# Altium PCB amp.PcbDoc (part 4 of 20) (continued)
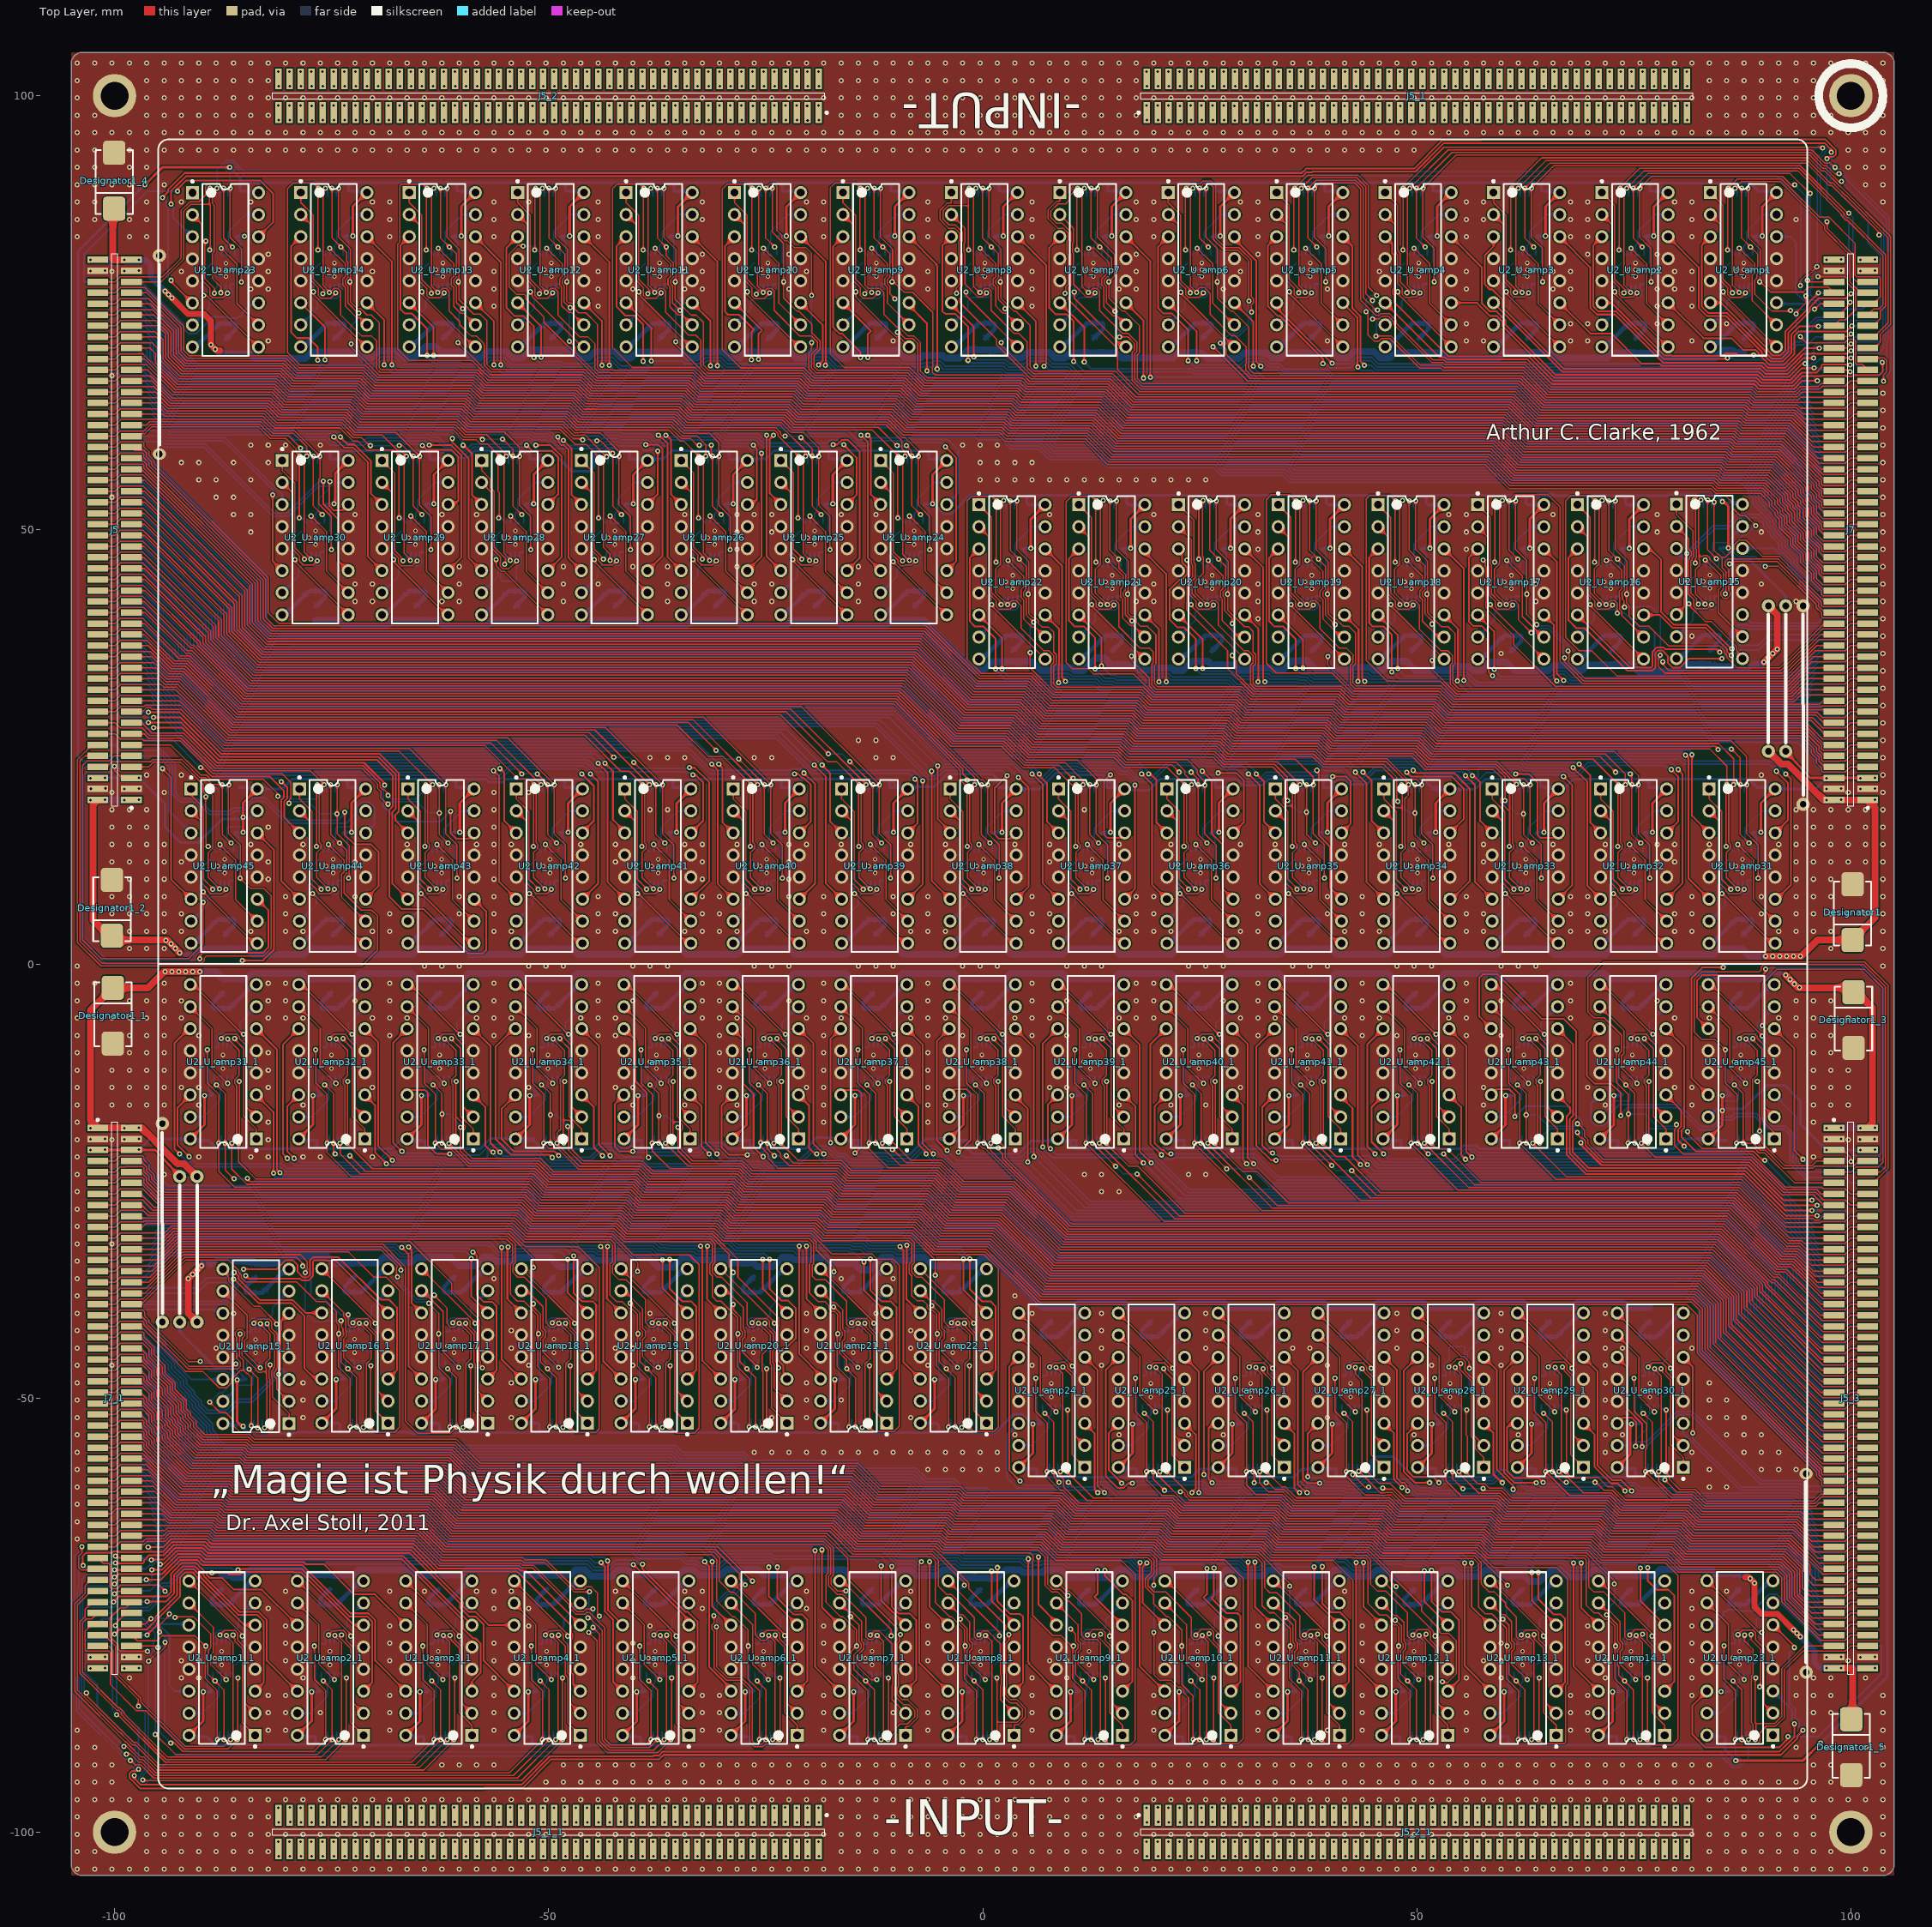
[diagram p0: Top Layer view]
## Nets (pads, with @x,y where several pads share a name; then routed paths per layer and width w, separated by ;. In a path a pad name is that pad's centre, name@x,y a point inside that pad or via, vN(x,y) a via of type N, cw(c..) or ccw(c..) an arc to the next point about the centre after c; other vN are vias at no path point) (continued)
  Bottom Layer w0.3: -104.2,23.9 -104.2,82.1 v1@-96.525,89.775 ; v1(-101.1,-21.4) -101.05,-21.45 J8_1.5@-98.9,-21.45 ; v1(-101.1,21.45) v1(-97.2,21.45) -94.2,18.45 -94.2,15.8 -92.4,14 -90.3,14 -87.6,16.7 -85.2,16.7 -85.2,16.89 v1(-85.21,16.9) ; v1(-97.2,-21.4) -95.963,-20.163 U2_U_amp31_1.16@-91.288,-20.163 -91.129,-20.322 C1_U_amp31_1.2@-89.17,-20.322 ; pad.2@-92.5,-41.25 -92.5,-42.386 -88.386,-46.5 -86.878,-46.5 -85.893,-47.485 v1(-85.893,-47.924) -84.966,-47.924 C2_U_amp15_1.2@-84.864,-47.822 ; U2_U_amp1_1.16@-91.44,-88.85 -91.281,-89.009 C1_U_amp1_1.2@-89.322,-89.009 ; v1(-89.805,-83.841) -88.878,-83.841 C2_U_amp1_1.2@-88.776,-83.739 ; v1(-89.653,-15.153) -88.725,-15.153 C2_U_amp31_1.2@-88.624,-15.052 ; C1_U_amp1_1.2@-89.355,-89.013 -89.355,-89.025 -88.428,-89.952 ; C1_U_amp31_1.2@-89.203,-20.326 -89.203,-20.338 -88.241,-21.3 -76.7,-21.3 -76.713,-21.287 C1_U_amp32_1.2@-76.713,-20.326 ; -88.428,-89.952 -76.987,-89.952 -76.865,-89.83 ; U2_U_amp15_1.16@-87.369,-53.093 U2_U_amp15_1.16@-87.528,-52.934 -87.366,-53.096 C1_U_amp15_1.2@-85.443,-53.096 ; v1(-86.75,91.75) -85.539,90.539 -85.539,89.967 ; C2_U_amp45.2@-86.239,15.052 -86.137,15.153 v1(-85.21,15.153) ; C2_U_amp23.2@-86.085,83.719 -85.984,83.82 v1(-85.057,83.82) ; C1_U_amp45.2@-85.693,20.322 -83.734,20.322 U2_U_amp45.16@-83.575,20.163 -80.637,20.163 -79.5,21.3 -73.2,21.3 ; C1_U_amp15_1.2@-85.24,-53.312 -84.516,-54.036 -79.086,-54.036 -78.999,-53.948 -74.045,-53.948 ; U2_U_amp23.16@-83.421,88.83 -83.58,88.989 -85.539,88.989 -85.539,89.967 ; U2_U_amp2_1.16@-78.95,-88.85 -78.791,-89.009 C1_U_amp2_1.2@-76.832,-89.009 ; U2_U_amp32_1.16@-78.798,-20.163 -78.639,-20.322 C1_U_amp32_1.2@-76.68,-20.322 ; v1(-77.315,-83.841) -76.388,-83.841 C2_U_amp2_1.2@-76.286,-83.739 ; v1(-77.162,-15.153) -76.235,-15.153 C2_U_amp32_1.2@-76.134,-15.052 ; C1_U_amp2_1.2@-76.865,-89.013 -76.865,-89.83 ; -76.7,-21.3 -68.048,-21.3 -67.071,-20.322 U2_U_amp33_1.16@-66.149,-20.322 ; U2_U_amp16_1.16@-75.971,-53.049 U2_U_amp16_1.16@-76.13,-52.89 -74.208,-52.89 C1_U_amp16_1.2@-74.045,-53.053 -74.045,-53.948 ; C2_U_amp30.2@-75.742,52.885 -75.641,52.986 v1(-74.714,52.986) ; v1(-74.495,-47.88) -73.568,-47.88 C2_U_amp16_1.2@-73.466,-47.779 ; -74.261,-54.007 -74.257,-54.002 -74.045,-54.002 -74.045,-53.962 ; C2_U_amp44.2@-73.749,15.052 -73.647,15.153 v1(-72.72,15.153) ; C2_U_amp14.2@-73.596,83.739 -73.495,83.841 v1(-72.568,83.841) ; C1_U_amp44.2@-73.203,20.322 -71.244,20.322 U2_U_amp44.16@-71.085,20.163 ; C1_U_amp44.2@-73.17,20.326 -73.17,21.27 -73.2,21.3 ; -73.147,-53.962 -74.045,-53.962 ; U2_U_amp30.16@-73.078,57.996 -73.237,58.155 -75.196,58.155 -75.196,59.113 -70.807,59.113 -70.784,59.09 -70.287,59.09 -70.265,59.113 -63.706,59.113 ; U2_U_amp14.16@-70.932,88.85 -71.091,89.009 -73.05,89.009 -73.05,89.967 ; U2_U_amp3_1.16@-66.46,-88.85 -66.301,-89.009 C1_U_amp3_1.2@-64.342,-89.009 ; U2_U_amp33_1.16@-66.308,-20.163 U2_U_amp33_1.16@-66.149,-20.322 ; -65.855,-54.09 -63.896,-54.09 ; v1(-64.825,-83.841) -63.897,-83.841 C2_U_amp3_1.2@-63.796,-83.739 ; v1(-64.672,-15.153) -63.745,-15.153 C2_U_amp33_1.2@-63.643,-15.052 ; U2_U_amp17_1.16@-64.481,-53.049 U2_U_amp17_1.16@-64.64,-52.89 -62.718,-52.89 C1_U_amp17_1.2@-62.555,-53.053 -62.555,-53.948 ; C1_U_amp3_1.2@-64.375,-89.013 -64.375,-89.927 ; C2_U_amp29.2@-64.252,52.885 -64.151,52.986 v1(-63.223,52.986) ; C1_U_amp33_1.2@-64.223,-20.326 C1_U_amp33_1.2@-64.223,-20.7 ; C1_U_amp33_1.2@-64.223,-20.322 C1_U_amp33_1.2@-64.19,-20.322 ; v1(-63.005,-47.88) -62.077,-47.88 C2_U_amp17_1.2@-61.976,-47.779 ; -62.771,-54.007 -62.767,-54.002 -62.555,-54.002 -62.555,-53.948 ; -62.463,-53.962 -60.527,-53.962 -60.541,-53.948 -62.555,-53.948 ; U2_U_amp29.16@-61.588,57.996 -61.747,58.155 -63.706,58.155 -63.706,59.113 ; C2_U_amp43.2@-61.259,15.052 -61.157,15.153 v1(-60.23,15.153) ; C2_U_amp13.2@-61.106,83.739 -61.005,83.841 v1(-60.077,83.841) ; C1_U_amp43.2@-60.712,20.322 -58.753,20.322 U2_U_amp43.16@-58.594,20.163 ; C1_U_amp43.2@-60.679,20.326 -60.679,21.279 -60.7,21.3 ; -60.497,-53.992 -59.606,-53.992 -59.577,-53.962 ; -59.562,-53.948 -59.577,-53.962 ; U2_U_amp13.16@-58.442,88.85 -58.601,89.009 -60.56,89.009 -60.56,89.967 ; U2_U_amp4_1.16@-53.97,-88.85 -53.811,-89.009 C1_U_amp4_1.2@-51.852,-89.009 ; U2_U_amp34_1.16@-53.817,-20.163 -53.658,-20.322 C1_U_amp34_1.2@-51.732,-20.322 ; U2_U_amp18_1.16@-52.991,-53.049 U2_U_amp18_1.16@-53.15,-52.89 -51.228,-52.89 C1_U_amp18_1.2@-51.065,-53.053 -51.065,-53.948 ; C2_U_amp28.2@-52.762,52.885 -52.66,52.986 v1(-51.733,52.986) ; v1(-52.334,-83.841) -51.407,-83.841 C2_U_amp4_1.2@-51.306,-83.739 ; -52.216,59.113 -49.686,59.113 -47.342,56.769 -45.187,56.769 -44.771,57.185 -44.771,58.618 -44.419,58.969 -43.65,58.969 -43.193,59.426 -42.373,59.426 -42.059,59.113 -40.693,59.113 C1_U_amp27.2@-40.693,58.159 ; v1(-52.182,-15.153) -51.255,-15.153 C2_U_amp34_1.2@-51.153,-15.052 ; C1_U_amp4_1.2@-51.885,-89.013 -51.885,-89.967 ; C1_U_amp34_1.2@-51.699,-20.322 C1_U_amp34_1.2@-51.732,-20.322 ; v1(-51.514,-47.88) -50.587,-47.88 C2_U_amp18_1.2@-50.486,-47.779 ; -51.281,-54.007 -51.277,-54.002 -51.065,-54.002 -51.065,-53.962 ; U2_U_amp28.16@-50.098,57.996 -50.257,58.155 -52.216,58.155 -52.216,59.084 -52.423,58.877 -52.889,58.877 -53.11,59.098 -58.54,59.098 -59.305,58.333 -60.398,58.333 -61.177,59.113 -63.706,59.113 ; C2_U_amp42.2@-48.768,15.052 -48.667,15.153 v1(-47.74,15.153) ; C2_U_amp12.2@-48.616,83.739 -48.514,83.841 v1(-47.587,83.841) ; C1_U_amp42.2@-48.222,20.322 -46.263,20.322 U2_U_amp42.16@-46.104,20.163 ; C1_U_amp42.2@-48.189,20.326 -48.189,21.289 -48.2,21.3 ; C1_U_amp12.2@-48.07,89.009 -46.111,89.009 U2_U_amp12.16@-45.952,88.85 ; C1_U_amp12.2@-48.037,89.013 -48.037,89.967 ; -47.978,-53.962 -45.978,-53.962 ; U2_U_amp19_1.16@-41.501,-53.049 U2_U_amp19_1.16@-41.66,-52.89 -39.737,-52.89 C1_U_amp19_1.2@-39.575,-53.053 -39.575,-53.948 ; U2_U_amp5_1.16@-41.48,-88.85 -41.321,-89.009 C1_U_amp5_1.2@-39.362,-89.009 ; U2_U_amp35_1.16@-41.327,-20.163 -41.168,-20.322 C1_U_amp35_1.2@-39.209,-20.322 ; C2_U_amp27.2@-41.272,52.885 -41.17,52.986 v1(-40.243,52.986) ; C1_U_amp27.2@-40.726,58.155 -38.767,58.155 U2_U_amp27.16@-38.608,57.996 ; v1(-40.024,-47.88) -39.097,-47.88 C2_U_amp19_1.2@-38.995,-47.779 ; v1(-39.844,-83.841) -38.917,-83.841 C2_U_amp5_1.2@-38.815,-83.739 ; -39.791,-54.007 -39.787,-54.002 -39.575,-54.002 -39.575,-53.962 ; -39.746,58.166 -36.805,58.166 -35.858,59.113 -29.202,59.113 C1_U_amp26.2@-29.202,58.445 ; v1(-39.692,-15.153) -38.765,-15.153 C2_U_amp35_1.2@-38.663,-15.052 ; C1_U_amp5_1.2@-39.395,-89.013 -39.395,-89.967 ; C1_U_amp35_1.2@-39.242,-20.326 -39.242,-21.258 -39.2,-21.3 ; -37.516,-53.992 -36.626,-53.992 -36.596,-53.962 ; -36.582,-53.948 -36.596,-53.962 ; C2_U_amp41.2@-36.278,15.052 -36.177,15.153 v1(-35.249,15.153) ; C2_U_amp11.2@-36.126,83.739 -36.024,83.841 v1(-35.097,83.841) ; C1_U_amp41.2@-35.732,20.322 -33.773,20.322 U2_U_amp41.16@-33.614,20.163 ; C1_U_amp41.2@-35.699,20.326 -35.699,21.299 ; C1_U_amp11.2@-35.58,89.009 -33.621,89.009 U2_U_amp11.16@-33.462,88.85 ; C1_U_amp11.2@-35.547,89.013 -35.547,89.967 ; U2_U_amp20_1.16@-30.01,-53.049 U2_U_amp20_1.16@-30.169,-52.89 -28.247,-52.89 C1_U_amp20_1.2@-28.084,-53.053 -28.084,-53.948 ; C2_U_amp26.2@-29.782,52.885 -29.68,52.986 v1(-28.753,52.986) ; C1_U_amp26.2@-29.235,58.155 -27.276,58.155 U2_U_amp26.16@-27.117,57.996 ; C1_U_amp26.2@-29.202,58.159 -25.001,58.159 -24.297,58.862 -24.297,58.87 -24.055,59.113 -17.712,59.113 ; U2_U_amp6_1.16@-28.989,-88.85 -28.83,-89.009 -26.871,-89.009 -26.871,-89.967 ; U2_U_amp36_1.16@-28.837,-20.163 -28.678,-20.322 C1_U_amp36_1.2@-26.719,-20.322 ; v1(-28.534,-47.88) -27.607,-47.88 C2_U_amp20_1.2@-27.505,-47.779 ; -28.301,-54.007 -28.296,-54.002 -28.084,-54.002 -28.084,-53.948 ; -28.084,-53.962 -36.596,-53.962 ; v1(-27.354,-83.841) -26.427,-83.841 C2_U_amp6_1.2@-26.325,-83.739 ; v1(-27.202,-15.153) -26.274,-15.153 C2_U_amp36_1.2@-26.173,-15.052 ; C1_U_amp36_1.2@-26.752,-20.326 -26.752,-21.252 ; C2_U_amp40.2@-23.788,15.052 -23.686,15.153 v1(-22.759,15.153) ; C2_U_amp10.2@-23.636,83.739 -23.534,83.841 v1(-22.607,83.841) ; C1_U_amp40.2@-23.242,20.322 -21.283,20.322 U2_U_amp40.16@-21.124,20.163 ; C1_U_amp40.2@-23.209,20.326 -23.209,21.209 -23.3,21.3 ; C1_U_amp10.2@-23.089,89.009 -21.13,89.009 U2_U_amp10.16@-20.971,88.85 ; C1_U_amp10.2@-23.056,89.013 -23.056,89.967 ; U2_U_amp21_1.16@-18.52,-53.049 U2_U_amp21_1.16@-18.679,-52.89 -16.757,-52.89 C1_U_amp21_1.2@-16.594,-53.053 -16.594,-53.948 ; C2_U_amp25.2@-18.291,52.885 -18.19,52.986 v1(-17.263,52.986) ; C1_U_amp25.2@-17.745,58.155 -15.786,58.155 U2_U_amp25.16@-15.627,57.996 ; C1_U_amp25.2@-17.712,58.159 -17.712,59.113 ; v1(-17.044,-47.88) -16.117,-47.88 C2_U_amp21_1.2@-16.015,-47.779 ; -16.81,-54.007 -16.806,-54.002 -16.594,-54.002 -16.594,-53.948 ; -16.687,-53.962 -25.077,-53.962 -25.092,-53.948 -25.136,-53.992 -26.026,-53.992 -26.07,-53.948 -28.084,-53.948 ; U2_U_amp7_1.16@-16.499,-88.85 -16.34,-89.009 C1_U_amp7_1.2@-14.381,-89.009 ; U2_U_amp37_1.16@-16.347,-20.163 U2_U_amp37_1.16@-16.21,-20.3 ; v1(-14.864,-83.841) -13.937,-83.841 C2_U_amp7_1.2@-13.835,-83.739 ; v1(-14.711,-15.153) -13.784,-15.153 C2_U_amp37_1.2@-13.683,-15.052 ; -14.63,-53.948 -16.594,-53.948 ; C1_U_amp7_1.2@-14.414,-89.013 -14.414,-89.967 ; -14.3,-21.3 -14.262,-21.262 C1_U_amp37_1.2@-14.262,-20.326 ; C1_U_amp37_1.2@-14.229,-20.322 -15.278,-20.322 ; -13.601,-53.948 -13.616,-53.962 ; C2_U_amp39.2@-11.298,15.052 -11.196,15.153 v1(-10.269,15.153) ; C2_U_amp9.2@-11.145,83.739 -11.044,83.841 v1(-10.117,83.841) ; C1_U_amp39.2@-10.752,20.322 -8.793,20.322 U2_U_amp39.16@-8.634,20.163 ; C1_U_amp39.2@-10.719,20.326 -10.719,21.281 -10.7,21.3 ; C1_U_amp9.2@-10.599,89.009 -8.64,89.009 U2_U_amp9.16@-8.481,88.85 ; C1_U_amp9.2@-10.566,89.013 -10.566,89.967 ; U2_U_amp22_1.16@-7.03,-53.049 U2_U_amp22_1.16@-7.189,-52.89 -5.267,-52.89 C1_U_amp22_1.2@-5.104,-53.053 -5.104,-53.948 ; C2_U_amp24.2@-6.801,52.885 -6.7,52.986 v1(-5.772,52.986) -5.692,52.986 -4.572,51.866 -3.702,51.866 -3.676,51.892 -3.556,51.892 -1.456,53.992 2.155,53.992 ; C1_U_amp24.2@-6.255,58.155 -4.296,58.155 U2_U_amp24.16@-4.137,57.996 ; C1_U_amp24.2@-6.222,58.159 -6.222,59.113 -17.712,59.113 ; v1(-5.554,-47.88) -4.626,-47.88 C2_U_amp22_1.2@-4.525,-47.779 ; -5.32,-54.007 -5.316,-54.002 -5.104,-54.002 -5.104,-53.962 ; U2_U_amp8_1.16@-4.009,-88.85 -3.85,-89.009 -1.891,-89.009 -1.891,-89.967 ; -3.09,-53.948 -5.104,-53.948 ; v1(-2.374,-83.841) -1.446,-83.841 C2_U_amp8_1.2@-1.345,-83.739 ; v1(-2.221,-15.153) -1.294,-15.153 C2_U_amp38_1.2@-1.192,-15.052 ; -2.155,-53.992 1.456,-53.992 3.556,-51.892 3.676,-51.892 3.702,-51.866 4.572,-51.866 5.692,-52.986 v1(5.772,-52.986) 6.7,-52.986 C2_U_amp24_1.2@6.801,-52.885 ; C1_U_amp38_1.2@-1.772,-20.326 -1.772,-21.228 -1.103,-21.897 -1,-21.897 ; C1_U_amp38_1.2@-1.739,-20.322 -3.698,-20.322 U2_U_amp38_1.16@-3.857,-20.163 -6.602,-20.163 -8.438,-22 -10.649,-22 -10.87,-21.778 -13.822,-21.778 -15.278,-20.322 ; -1,-21.858 -1,-21.897 ; 1,21.858 1,21.897 ; C2_U_amp38.2@1.192,15.052 1.294,15.153 v1(2.221,15.153) ; C2_U_amp8.2@1.345,83.739 1.446,83.841 v1(2.374,83.841) ; C1_U_amp38.2@1.739,20.322 3.698,20.322 U2_U_amp38.16@3.857,20.163 6.602,20.163 8.438,22 10.649,22 10.87,21.778 13.822,21.778 15.278,20.322 ; C1_U_amp38.2@1.772,20.326 1.772,21.228 1.103,21.897 1,21.897 ; 3.09,53.948 5.104,53.948 ; U2_U_amp8.16@4.009,88.85 3.85,89.009 1.891,89.009 1.891,89.967 ; U2_U_amp24_1.16@4.137,-57.996 4.296,-58.155 C1_U_amp24_1.2@6.255,-58.155 ; C2_U_amp22.2@4.525,47.779 4.626,47.88 v1(5.554,47.88) ; 5.32,54.007 5.316,54.002 5.104,54.002 5.104,53.962 ; C1_U_amp24_1.2@6.222,-58.159 6.222,-59.113 17.712,-59.113 ; U2_U_amp22.16@7.03,53.049 U2_U_amp22.16@7.189,52.89 5.267,52.89 C1_U_amp22.2@5.104,53.053 5.104,53.948 ; U2_U_amp9_1.16@8.481,-88.85 8.64,-89.009 C1_U_amp9_1.2@10.599,-89.009 ; U2_U_amp39_1.16@8.634,-20.163 8.793,-20.322 C1_U_amp39_1.2@10.752,-20.322 ; v1(10.117,-83.841) 11.044,-83.841 C2_U_amp9_1.2@11.145,-83.739 ; v1(10.269,-15.153) 11.196,-15.153 C2_U_amp39_1.2@11.298,-15.052 ; C1_U_amp9_1.2@10.566,-89.013 10.566,-89.967 ; C1_U_amp39_1.2@10.719,-20.326 10.719,-21.281 10.7,-21.3 ; 13.601,53.948 13.616,53.962 ; C2_U_amp37.2@13.683,15.052 13.784,15.153 v1(14.711,15.153) ; C2_U_amp7.2@13.835,83.739 13.937,83.841 v1(14.864,83.841) ; C1_U_amp37.2@14.229,20.322 15.278,20.322 ; C1_U_amp37.2@14.262,20.326 14.262,21.262 14.3,21.3 ; C1_U_amp7.2@14.381,89.009 16.34,89.009 U2_U_amp7.16@16.499,88.85 ; C1_U_amp7.2@14.414,89.013 14.414,89.967 ; 14.63,53.948 16.594,53.948 ; U2_U_amp25_1.16@15.627,-57.996 15.786,-58.155 C1_U_amp25_1.2@17.745,-58.155 ; C2_U_amp21.2@16.015,47.779 16.117,47.88 v1(17.044,47.88) ; U2_U_amp37.16@16.347,20.163 U2_U_amp37.16@16.21,20.3 ; 16.687,53.962 25.077,53.962 25.092,53.948 25.136,53.992 26.026,53.992 26.07,53.948 28.084,53.948 ; 16.81,54.007 16.806,54.002 16.594,54.002 16.594,53.948 ; v1(17.263,-52.986) 18.19,-52.986 C2_U_amp25_1.2@18.291,-52.885 ; C1_U_amp25_1.2@17.712,-58.159 17.712,-59.113 ; U2_U_amp21.16@18.52,53.049 U2_U_amp21.16@18.679,52.89 16.757,52.89 C1_U_amp21.2@16.594,53.053 16.594,53.948 ; U2_U_amp10_1.16@20.971,-88.85 21.13,-89.009 C1_U_amp10_1.2@23.089,-89.009 ; U2_U_amp40_1.16@21.124,-20.163 21.283,-20.322 C1_U_amp40_1.2@23.242,-20.322 ; v1(22.607,-83.841) 23.534,-83.841 C2_U_amp10_1.2@23.636,-83.739 ; v1(22.759,-15.153) 23.686,-15.153 C2_U_amp40_1.2@23.788,-15.052 ; C1_U_amp10_1.2@23.056,-89.013 23.056,-89.967 ; C1_U_amp40_1.2@23.209,-20.326 23.209,-21.209 23.3,-21.3 ; C2_U_amp36.2@26.173,15.052 26.274,15.153 v1(27.202,15.153) ; C2_U_amp6.2@26.325,83.739 26.427,83.841 v1(27.354,83.841) ; C1_U_amp36.2@26.719,20.322 28.678,20.322 U2_U_amp36.16@28.837,20.163 ; C1_U_amp36.2@26.752,20.326 26.752,21.252 ; U2_U_amp26_1.16@27.117,-57.996 27.276,-58.155 C1_U_amp26_1.2@29.235,-58.155 ; C2_U_amp20.2@27.505,47.779 27.607,47.88 v1(28.534,47.88) ; 28.084,53.962 36.596,53.962 ; 28.301,54.007 28.296,54.002 28.084,54.002 28.084,53.948 ; v1(28.753,-52.986) 29.68,-52.986 C2_U_amp26_1.2@29.782,-52.885 ; U2_U_amp6.16@28.989,88.85 28.83,89.009 26.871,89.009 26.871,89.967 ; C1_U_amp26_1.2@29.202,-58.445 29.202,-59.113 35.858,-59.113 36.805,-58.166 39.746,-58.166 ; C1_U_amp26_1.2@29.202,-58.159 25.001,-58.159 24.297,-58.862 24.297,-58.87 24.055,-59.113 17.712,-59.113 ; U2_U_amp20.16@30.01,53.049 U2_U_amp20.16@30.169,52.89 28.247,52.89 C1_U_amp20.2@28.084,53.053 28.084,53.948 ; U2_U_amp11_1.16@33.462,-88.85 33.621,-89.009 C1_U_amp11_1.2@35.58,-89.009 ; U2_U_amp41_1.16@33.614,-20.163 33.773,-20.322 C1_U_amp41_1.2@35.732,-20.322 ; v1(35.097,-83.841) 36.024,-83.841 C2_U_amp11_1.2@36.126,-83.739 ; v1(35.249,-15.153) 36.177,-15.153 C2_U_amp41_1.2@36.278,-15.052 ; C1_U_amp11_1.2@35.547,-89.013 35.547,-89.967 ; C1_U_amp41_1.2@35.699,-20.326 35.699,-21.299 ; 36.582,53.948 36.596,53.962 ; 37.516,53.992 36.626,53.992 36.596,53.962 ; U2_U_amp27_1.16@38.608,-57.996 38.767,-58.155 C1_U_amp27_1.2@40.726,-58.155 ; C2_U_amp35.2@38.663,15.052 38.765,15.153 v1(39.692,15.153) ; C2_U_amp5.2@38.815,83.739 38.917,83.841 v1(39.844,83.841) ; C2_U_amp19.2@38.995,47.779 39.097,47.88 v1(40.024,47.88) ; C1_U_amp35.2@39.209,20.322 41.168,20.322 U2_U_amp35.16@41.327,20.163 ; C1_U_amp35.2@39.242,20.326 39.242,21.258 39.2,21.3 ; C1_U_amp5.2@39.362,89.009 41.321,89.009 U2_U_amp5.16@41.48,88.85 ; C1_U_amp5.2@39.395,89.013 39.395,89.967 ; 39.791,54.007 39.787,54.002 39.575,54.002 39.575,53.962 ; v1(40.243,-52.986) 41.17,-52.986 C2_U_amp27_1.2@41.272,-52.885 ; C1_U_amp27_1.2@40.693,-58.159 40.693,-59.113 42.059,-59.113 42.373,-59.426 43.193,-59.426 43.65,-58.969 44.419,-58.969 44.771,-58.618 44.771,-57.185 45.187,-56.769 47.342,-56.769 49.686,-59.113 52.216,-59.113 ; U2_U_amp19.16@41.501,53.049 U2_U_amp19.16@41.66,52.89 39.737,52.89 C1_U_amp19.2@39.575,53.053 39.575,53.948 ; U2_U_amp12_1.16@45.952,-88.85 46.111,-89.009 C1_U_amp12_1.2@48.07,-89.009 ; U2_U_amp42_1.16@46.104,-20.163 46.263,-20.322 C1_U_amp42_1.2@48.222,-20.322 ; v1(47.587,-83.841) 48.514,-83.841 C2_U_amp12_1.2@48.616,-83.739 ; v1(47.74,-15.153) 48.667,-15.153 C2_U_amp42_1.2@48.768,-15.052 ; 47.978,53.962 45.978,53.962 ; C1_U_amp12_1.2@48.037,-89.013 48.037,-89.967 ; C1_U_amp42_1.2@48.189,-20.326 48.189,-21.289 48.2,-21.3 ; U2_U_amp28_1.16@50.098,-57.996 50.257,-58.155 52.216,-58.155 52.216,-59.084 52.423,-58.877 52.889,-58.877 53.11,-59.098 58.54,-59.098 59.305,-58.333 60.398,-58.333 61.177,-59.113 63.706,-59.113 ; C2_U_amp18.2@50.486,47.779 50.587,47.88 v1(51.514,47.88) ; C2_U_amp34.2@51.153,15.052 51.255,15.153 v1(52.182,15.153) ; 51.281,54.007 51.277,54.002 51.065,54.002 51.065,53.962 ; C2_U_amp4.2@51.306,83.739 51.407,83.841 v1(52.334,83.841) ; C1_U_amp34.2@51.699,20.322 C1_U_amp34.2@51.732,20.322 ; v1(51.733,-52.986) 52.66,-52.986 C2_U_amp28_1.2@52.762,-52.885 ; C1_U_amp4.2@51.852,89.009 53.811,89.009 U2_U_amp4.16@53.97,88.85 ; C1_U_amp4.2@51.885,89.013 51.885,89.967 ; U2_U_amp18.16@52.991,53.049 U2_U_amp18.16@53.15,52.89 51.228,52.89 C1_U_amp18.2@51.065,53.053 51.065,53.948 ; U2_U_amp34.16@53.817,20.163 53.658,20.322 C1_U_amp34.2@51.732,20.322 ; U2_U_amp13_1.16@58.442,-88.85 58.601,-89.009 60.56,-89.009 60.56,-89.967 ; U2_U_amp43_1.16@58.594,-20.163 58.753,-20.322 C1_U_amp43_1.2@60.712,-20.322 ; 59.562,53.948 59.577,53.962 ; v1(60.077,-83.841) 61.005,-83.841 C2_U_amp13_1.2@61.106,-83.739 ; v1(60.23,-15.153) 61.157,-15.153 C2_U_amp43_1.2@61.259,-15.052 ; 60.497,53.992 59.606,53.992 59.577,53.962 ; C1_U_amp43_1.2@60.679,-20.326 60.679,-21.279 60.7,-21.3 ; U2_U_amp29_1.16@61.588,-57.996 61.747,-58.155 63.706,-58.155 63.706,-59.113 ; C2_U_amp17.2@61.976,47.779 62.077,47.88 v1(63.005,47.88) ; 62.463,53.962 60.527,53.962 60.541,53.948 62.555,53.948 ; 62.771,54.007 62.767,54.002 62.555,54.002 62.555,53.948 ; v1(63.223,-52.986) 64.151,-52.986 C2_U_amp29_1.2@64.252,-52.885 ; C2_U_amp33.2@63.643,15.052 63.745,15.153 v1(64.672,15.153) ; C2_U_amp3.2@63.796,83.739 63.897,83.841 v1(64.825,83.841) ; 63.896,54.09 65.855,54.09 ; C1_U_amp33.2@64.19,20.322 C1_U_amp33.2@64.223,20.322 ; C1_U_amp33.2@64.223,20.326 C1_U_amp33.2@64.223,20.7 ; C1_U_amp3.2@64.342,89.009 66.301,89.009 U2_U_amp3.16@66.46,88.85 ; C1_U_amp3.2@64.375,89.013 64.375,89.927 ; U2_U_amp17.16@64.481,53.049 U2_U_amp17.16@64.64,52.89 62.718,52.89 C1_U_amp17.2@62.555,53.053 62.555,53.948 ; U2_U_amp33.16@66.308,20.163 U2_U_amp33.16@66.149,20.322 ; U2_U_amp14_1.16@70.932,-88.85 71.091,-89.009 73.05,-89.009 73.05,-89.967 ; U2_U_amp44_1.16@71.085,-20.163 71.244,-20.322 C1_U_amp44_1.2@73.203,-20.322 ; v1(72.568,-83.841) 73.495,-83.841 C2_U_amp14_1.2@73.596,-83.739 ; v1(72.72,-15.153) 73.647,-15.153 C2_U_amp44_1.2@73.749,-15.052 ; U2_U_amp30_1.16@73.078,-57.996 73.237,-58.155 75.196,-58.155 75.196,-59.113 70.807,-59.113 70.784,-59.09 70.287,-59.09 70.265,-59.113 63.706,-59.113 ; 73.147,53.962 74.045,53.962 ; C1_U_amp44_1.2@73.17,-20.326 73.17,-21.27 73.2,-21.3 ; C2_U_amp16.2@73.466,47.779 73.568,47.88 v1(74.495,47.88) ; 74.261,54.007 74.257,54.002 74.045,54.002 74.045,53.962 ; v1(74.714,-52.986) 75.641,-52.986 C2_U_amp30_1.2@75.742,-52.885 ; U2_U_amp16.16@75.971,53.049 U2_U_amp16.16@76.13,52.89 74.208,52.89 C1_U_amp16.2@74.045,53.053 74.045,53.948 ; C2_U_amp32.2@76.134,15.052 76.235,15.153 v1(77.162,15.153) ; C2_U_amp2.2@76.286,83.739 76.388,83.841 v1(77.315,83.841) ; C1_U_amp32.2@76.68,20.322 78.639,20.322 U2_U_amp32.16@78.798,20.163 ; C1_U_amp32.2@76.713,20.326 76.713,21.287 76.7,21.3 ; C1_U_amp2.2@76.832,89.009 78.791,89.009 U2_U_amp2.16@78.95,88.85 ; C1_U_amp2.2@76.865,89.013 76.865,89.83 ; U2_U_amp23_1.16@83.421,-88.83 83.58,-88.989 85.539,-88.989 85.539,-89.967 ; C2_U_amp15.2@84.864,47.822 84.966,47.924 v1(85.893,47.924) 85.893,47.485 86.878,46.5 88.386,46.5 92.5,42.386 pad.2@92.5,41.25 ; v1(85.057,-83.82) 85.984,-83.82 C2_U_amp23_1.2@86.085,-83.719 ; v1(85.21,-16.9) 85.2,-16.89 85.2,-16.7 87.6,-16.7 90.3,-14 92.4,-14 94.2,-15.8 94.2,-18.45 v1(97.2,-21.45) v1(101.1,-21.45) ; v1(85.21,-15.153) 86.137,-15.153 C2_U_amp45_1.2@86.239,-15.052 ; C1_U_amp15.2@85.24,53.312 84.516,54.036 79.086,54.036 78.999,53.948 74.045,53.948 ; C1_U_amp15.2@85.443,53.096 87.366,53.096 U2_U_amp15.16@87.528,52.934 U2_U_amp15.16@87.369,53.093 ; C1_U_amp45_1.2@85.693,-20.322 83.734,-20.322 U2_U_amp45_1.16@83.575,-20.163 80.637,-20.163 79.5,-21.3 73.2,-21.3 ; v1(86.75,-91.75) 85.539,-90.539 85.539,-89.967 ; C2_U_amp31.2@88.624,15.052 88.725,15.153 v1(89.653,15.153) ; C2_U_amp1.2@88.776,83.739 88.878,83.841 v1(89.805,83.841) ; C1_U_amp31.2@89.17,20.322 91.129,20.322 U2_U_amp31.16@91.288,20.163 95.963,20.163 v1(97.2,21.4) ; C1_U_amp31.2@89.203,20.326 89.203,20.338 88.241,21.3 76.7,21.3 ; C1_U_amp1.2@89.322,89.009 91.281,89.009 U2_U_amp1.16@91.44,88.85 ; C1_U_amp1.2@89.355,89.013 89.355,89.025 88.428,89.952 76.987,89.952 76.865,89.83 ; v1@96.525,-89.775 104.2,-82.1 104.2,-23.9 ; J8.5@98.9,21.45 101.05,21.45 v1(101.1,21.4) ; -85.539,89.967 -73.05,89.967 ; -76.865,-89.83 -76.729,-89.967 -64.414,-89.967 -64.375,-89.927 ; -74.045,-53.962 -74.045,-53.948 ; -74.045,-53.948 -72.031,-53.948 -71.987,-53.992 -71.097,-53.992 -71.052,-53.948 -62.555,-53.948 ; -73.2,21.3 -60.7,21.3 ; -73.05,89.967 -60.56,89.967 ; U2_U_amp33_1.16@-66.149,-20.322 -64.6,-20.322 C1_U_amp33_1.2@-64.223,-20.7 ; -64.375,-89.927 -64.375,-89.967 -51.885,-89.967 ; C1_U_amp33_1.2@-64.223,-20.7 -64.223,-20.92 -63.91,-21.232 -63.328,-21.232 -63.295,-21.265 -62.798,-21.265 -62.765,-21.232 -62.566,-21.232 -62.533,-21.265 -62.036,-21.265 -62.003,-21.232 -61.816,-21.232 -61.748,-21.3 -61.251,-21.3 -61.184,-21.232 -61.016,-21.232 -60.984,-21.265 -57.865,-21.265 -56.7,-20.1 -51.732,-20.1 C1_U_amp34_1.2@-51.732,-20.322 ; -60.7,21.3 -57.238,21.3 -56.888,20.95 -55.312,20.95 -54.962,21.3 -48.2,21.3 ; -60.56,89.967 -48.037,89.967 ; -59.577,-53.962 -51.065,-53.962 ; -51.885,-89.967 -39.395,-89.967 ; C1_U_amp34_1.2@-51.732,-20.322 C1_U_amp34_1.2@-51.732,-20.326 -51.732,-20.338 -50.77,-21.3 -44.838,-21.3 -44.238,-20.7 -42.3,-20.7 -41.7,-21.3 -40.848,-21.3 -40.548,-21 -40.051,-21 -39.751,-21.3 -39.2,-21.3 ; -51.065,-53.962 -51.065,-53.948 ; -51.065,-53.948 -49.051,-53.948 -49.007,-53.992 -46.008,-53.992 -45.978,-53.962 ; -48.2,21.3 -44.951,21.3 -35.7,21.3 -35.699,21.299 ; -48.037,89.967 -35.547,89.967 ; -45.978,-53.962 -39.575,-53.962 ; -39.575,-53.962 -39.575,-53.948 ; -39.575,-53.962 -37.546,-53.962 -37.561,-53.948 -39.575,-53.948 ; -39.395,-89.967 -26.871,-89.967 ; -39.2,-21.3 -32.92,-21.3 -32.22,-20.6 -30,-20.6 -29.3,-21.3 -27.849,-21.3 -26.8,-21.3 -26.752,-21.252 ; -35.699,21.299 -35.6,21.2 -33.151,21.2 -33.051,21.3 -23.3,21.3 ; -35.547,89.967 -23.056,89.967 ; -26.871,-89.967 -14.414,-89.967 ; -26.752,-21.252 -26.75,-21.25 -24.907,-21.25 -24.857,-21.3 -20.43,-21.3 -19.132,-20.003 -17.298,-20.003 -17.001,-20.3 U2_U_amp37_1.16@-16.21,-20.3 ; -23.3,21.3 -10.7,21.3 ; -23.056,89.967 -10.566,89.967 ; -16.594,-53.948 -14.58,-53.948 -14.566,-53.962 -14.173,-53.962 -14.143,-53.992 -13.646,-53.992 -13.616,-53.962 ; U2_U_amp37_1.16@-16.21,-20.3 -16.188,-20.322 -15.278,-20.322 ; U2_U_amp37_1.16@-16.21,-20.3 -15.3,-20.3 -15.278,-20.322 ; -14.414,-89.967 -1.891,-89.967 ; -13.616,-53.962 -5.104,-53.962 ; -10.7,21.3 -9.8,20.4 -5.6,20.4 -4.103,21.897 1,21.897 ; -10.566,89.967 1.891,89.967 ; -5.104,-53.962 -5.104,-53.948 ; -1.891,-89.967 10.566,-89.967 ; -1,-21.897 4.103,-21.897 5.6,-20.4 9.8,-20.4 10.7,-21.3 ; 1.891,89.967 14.414,89.967 ; 5.104,53.948 5.104,53.962 ; 5.104,53.962 13.616,53.962 ; 10.566,-89.967 23.056,-89.967 ; 10.7,-21.3 23.3,-21.3 ; 13.616,53.962 13.646,53.992 14.143,53.992 14.173,53.962 14.566,53.962 14.58,53.948 16.594,53.948 ; 14.414,89.967 26.871,89.967 ; 15.278,20.322 15.3,20.3 U2_U_amp37.16@16.21,20.3 ; 15.278,20.322 16.188,20.322 U2_U_amp37.16@16.21,20.3 ; U2_U_amp37.16@16.21,20.3 17.001,20.3 17.298,20.003 19.132,20.003 20.43,21.3 24.857,21.3 24.907,21.25 26.75,21.25 26.752,21.252 ; 23.056,-89.967 35.547,-89.967 ; 23.3,-21.3 33.051,-21.3 33.151,-21.2 35.6,-21.2 35.699,-21.299 ; 26.752,21.252 26.8,21.3 27.848,21.3 29.3,21.3 30,20.6 32.22,20.6 32.92,21.3 39.2,21.3 ; 26.871,89.967 39.395,89.967 ; 35.547,-89.967 48.037,-89.967 ; 35.699,-21.299 35.7,-21.3 ; 35.7,-21.3 44.951,-21.3 48.2,-21.3 ; 39.2,21.3 39.751,21.3 40.051,21 40.548,21 40.848,21.3 41.7,21.3 42.3,20.7 44.238,20.7 44.838,21.3 50.77,21.3 51.732,20.338 C1_U_amp34.2@51.732,20.326 C1_U_amp34.2@51.732,20.322 ; 39.395,89.967 51.885,89.967 ; 39.575,53.948 37.561,53.948 37.546,53.962 39.575,53.962 ; 39.575,53.948 39.575,53.962 ; 39.575,53.962 45.978,53.962 ; 45.978,53.962 46.008,53.992 49.007,53.992 49.051,53.948 51.065,53.948 ; 48.037,-89.967 60.56,-89.967 ; 48.2,-21.3 54.962,-21.3 55.312,-20.95 56.888,-20.95 57.238,-21.3 60.7,-21.3 ; 51.065,53.948 51.065,53.962 ; 51.065,53.962 59.577,53.962 ; C1_U_amp34.2@51.732,20.322 51.732,20.1 56.7,20.1 57.865,21.265 60.984,21.265 61.016,21.232 61.184,21.232 61.251,21.3 61.748,21.3 61.816,21.232 62.003,21.232 62.036,21.265 62.533,21.265 62.566,21.232 62.765,21.232 62.798,21.265 63.295,21.265 63.328,21.232 63.91,21.232 64.223,20.92 C1_U_amp33.2@64.223,20.7 ; 51.885,89.967 64.375,89.967 64.375,89.927 ; 60.56,-89.967 73.05,-89.967 ; 60.7,-21.3 73.2,-21.3 ; 62.555,53.948 71.052,53.948 71.097,53.992 71.987,53.992 72.031,53.948 74.045,53.948 ; C1_U_amp33.2@64.223,20.7 64.6,20.322 U2_U_amp33.16@66.149,20.322 ; 64.375,89.927 64.414,89.967 76.729,89.967 76.865,89.83 ; U2_U_amp33.16@66.149,20.322 67.071,20.322 68.048,21.3 76.7,21.3 ; 73.05,-89.967 85.539,-89.967 ; 74.045,53.948 74.045,53.962
  other v1: -102.8,-21.45 102.8,-21.4 -102.8,21.4 102.8,21.45
EN1I_U_amp1: U1_U_amp1.6 U1_U_amp1_1.6 U2_U_amp1.1 U2_U_amp1_1.1 | length 27.7
  Top Layer w0.15: v1(-86.36,-77.292) -86.486,-77.418 -86.181,-77.723 -86.181,-77.951 -85.267,-78.866 -85.267,-87.404 U2_U_amp1_1.1@-83.82,-88.85 ; U2_U_amp1.1@83.82,88.85 85.267,87.404 85.267,78.866 86.181,77.951 86.181,77.723 86.486,77.418 v1(86.36,77.292)
  Bottom Layer w0.15: U1_U_amp1_1.6@-86.687,-78.305 -86.687,-77.655 -86.36,-77.328 v1(-86.36,-77.292) ; v1(86.36,77.292) 86.36,77.328 86.687,77.655 U1_U_amp1.6@86.687,78.305
EN1I_U_amp2: U1_U_amp2.6 U1_U_amp2_1.6 U2_U_amp2.1 U2_U_amp2_1.1 | length 27.8
  Top Layer w0.15: v1(-73.863,-77.292) -74.03,-77.459 -74.03,-77.612 -72.777,-78.866 -72.777,-87.404 U2_U_amp2_1.1@-71.33,-88.85 ; U2_U_amp2.1@71.33,88.85 72.777,87.404 72.777,78.866 74.03,77.612 74.03,77.459 v1(73.863,77.292)
  Bottom Layer w0.15: U1_U_amp2_1.6@-74.197,-78.305 -74.197,-77.655 -73.863,-77.321 v1(-73.863,-77.292) ; v1(73.863,77.292) 73.863,77.321 74.197,77.655 U1_U_amp2.6@74.197,78.305
EN1I_U_amp3: U1_U_amp3.6 U1_U_amp3_1.6 U2_U_amp3.1 U2_U_amp3_1.1 | length 27.3
  Top Layer w0.15: v1(-61.366,-77.343) -61.366,-77.721 -60.286,-78.801 -60.286,-86.243 -58.84,-87.689 U2_U_amp3_1.1@-58.84,-88.85 ; U2_U_amp3.1@58.84,88.85 58.84,87.689 60.286,86.243 60.286,78.801 61.366,77.721 v1(61.366,77.343)
  Bottom Layer w0.15: U1_U_amp3_1.6@-61.707,-78.305 -61.707,-77.684 v1(-61.366,-77.343) ; v1(61.366,77.343) 61.707,77.684 U1_U_amp3.6@61.707,78.305
EN1I_U_amp4: U1_U_amp4.6 U1_U_amp4_1.6 U2_U_amp4.1 U2_U_amp4_1.1 | length 27.9
  Top Layer w0.15: v1(-48.87,-77.318) -48.93,-77.318 -49.117,-77.504 -49.117,-77.545 -48.082,-78.58 -48.082,-81.686 -48.072,-81.697 -48.072,-81.843 -47.887,-82.028 -47.887,-82.129 -47.796,-82.22 -47.796,-82.458 -47.796,-87.404 U2_U_amp4_1.1@-46.35,-88.85 ; U2_U_amp4.1@46.35,88.85 47.796,87.404 47.796,82.458 47.796,82.22 47.887,82.129 47.887,82.028 48.072,81.843 48.072,81.697 48.082,81.686 48.082,78.58 49.117,77.545 49.117,77.504 48.93,77.318 v1(48.87,77.318)
  Bottom Layer w0.15: U1_U_amp4_1.6@-49.217,-78.305 -49.217,-77.665 v1(-48.87,-77.318) ; v1(48.87,77.318) 49.217,77.665 U1_U_amp4.6@49.217,78.305
EN1I_U_amp5: U1_U_amp5.6 U1_U_amp5_1.6 U2_U_amp5.1 U2_U_amp5_1.1 | length 27.8
  Top Layer w0.15: v1(-36.398,-77.318) -36.424,-77.318 -36.627,-77.52 -36.627,-77.545 -35.306,-78.866 -35.306,-87.404 U2_U_amp5_1.1@-33.86,-88.85 ; U2_U_amp5.1@33.86,88.85 35.306,87.404 35.306,78.866 36.627,77.545 36.627,77.52 36.424,77.318 v1(36.398,77.318)
  Bottom Layer w0.15: U1_U_amp5_1.6@-36.727,-78.305 -36.727,-77.655 -36.398,-77.327 v1(-36.398,-77.318) ; v1(36.398,77.318) 36.398,77.327 36.727,77.655 U1_U_amp5.6@36.727,78.305
EN1I_U_amp6: U1_U_amp6.6 U1_U_amp6_1.6 U2_U_amp6.1 U2_U_amp6_1.1 | length 28
  Top Layer w0.15: v1(-23.901,-77.318) -24.041,-77.318 -24.137,-77.414 -22.816,-78.734 -22.816,-86.243 -21.369,-87.689 U2_U_amp6_1.1@-21.369,-88.85 ; U2_U_amp6.1@21.369,88.85 21.369,87.689 22.816,86.243 22.816,78.734 24.137,77.414 24.041,77.318 v1(23.901,77.318)
  Bottom Layer w0.15: U1_U_amp6_1.6@-24.236,-78.305 -24.236,-77.655 -23.901,-77.32 v1(-23.901,-77.318) ; v1(23.901,77.318) 23.901,77.32 24.236,77.655 U1_U_amp6.6@24.236,78.305
EN1I_U_amp7: U1_U_amp7.6 U1_U_amp7_1.6 U2_U_amp7.1 U2_U_amp7_1.1 | length 34.7
  Top Layer w0.15: v1(-9.496,-77.231) -9.496,-77.22 -9.554,-77.161 -9.554,-77.987 -9.854,-78.287 -9.854,-81.634 -9.726,-81.763 -9.726,-83.238 -9.854,-83.367 -9.854,-84.174 -9.283,-84.745 -8.641,-84.745 -7.549,-85.838 -7.549,-86.865 -8.537,-87.854 -8.879,-87.854 U2_U_amp7_1.1@-8.879,-88.85 ; U2_U_amp7.1@8.879,88.85 8.879,87.854 8.537,87.854 7.549,86.865 7.549,85.838 8.641,84.745 9.283,84.745 9.854,84.174 9.854,83.367 9.726,83.238 9.726,81.763 9.854,81.634 9.854,78.287 9.554,77.987 9.554,77.161 9.496,77.22 v1(9.496,77.231)
  Bottom Layer w0.15: U1_U_amp7_1.6@-11.746,-78.305 -11.071,-77.63 -11.071,-77.197 -10.763,-76.889 -10.328,-76.889 -9.987,-77.231 v1(-9.496,-77.231) ; v1(9.496,77.231) 9.987,77.231 10.328,76.889 10.763,76.889 11.071,77.197 11.071,77.63 U1_U_amp7.6@11.746,78.305